# Altium PCB 蓝桥1.4.PcbDoc (part 1 of 2) (continued)
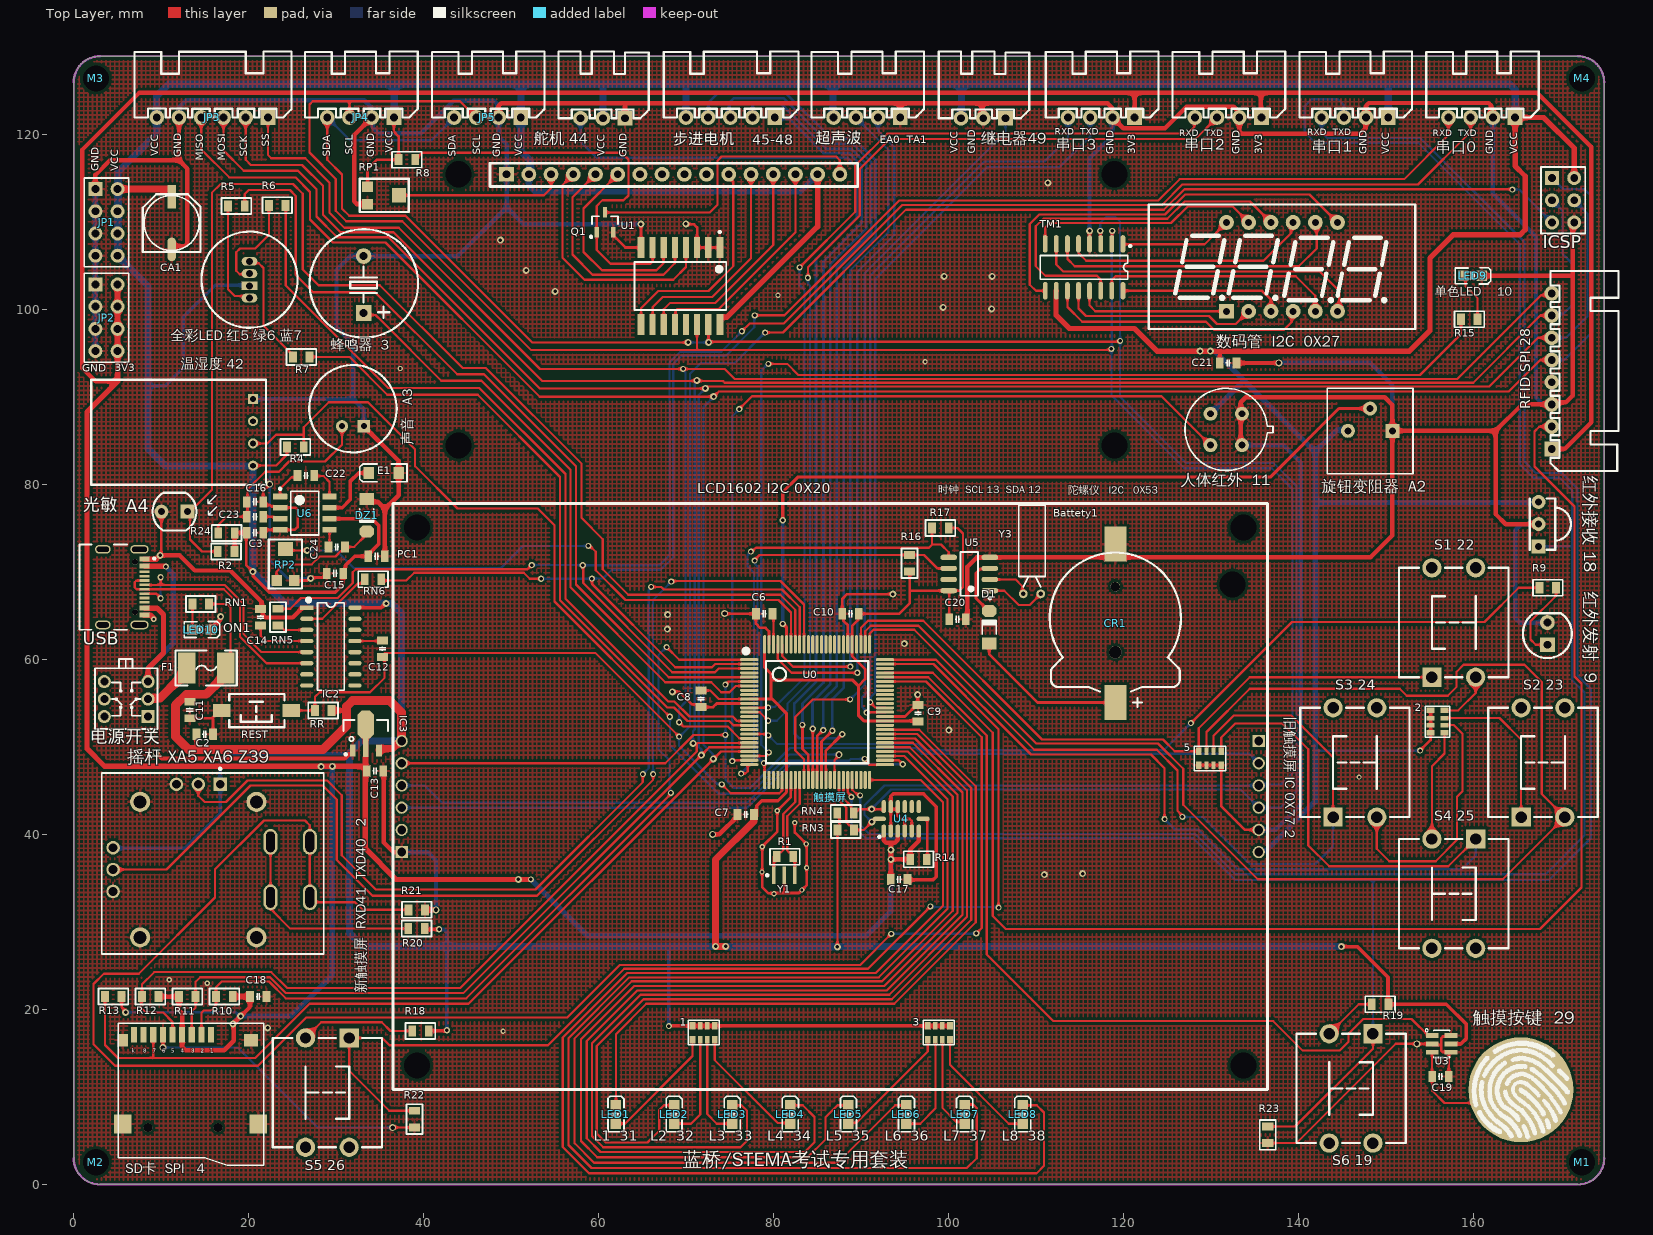
[diagram p0: Top Layer view]
## Footprints (in the part's own frame and the unit in brackets; to place one, negate y for a bottom-side part, rotate by r counter-clockwise, add the part's x,y. Pads: shape width x height; smd on the part's side, far side on the other; paste and mask are expansions set on the pad) (continued)
MIC [mm]
  rect 1.4x1.4 hole 0.7: 1(2,1.25)
  round 1.4 hole 0.7: 2(2,-1.25)
  silkscreen extent -5,-5 5,5
"Micro SD" [mm]
  round 1 hole 1 unplated: 0(-4,0) 0(4,0)
  rect 0.7x1.8 smd: 1(3.2,10.627) 2(2.1,10.627) 3(1,10.627) 4(-0.1,10.627) 5(-1.2,10.627) 6(-2.3,10.627) 7(-3.4,10.627) 8(-4.5,10.627) 9(-5.6,10.627)
  rect 2.032x2.2 smd: 10(-6.9,0.4) 10(8.6,0.4)
  rect 1.2x1.4 smd: 10(-6.9,10)
  rect 1.6x1.4 smd: 10(7.8,10)
  silkscreen extent -7.4,-4.28 9.2,11.94, body extent -7.05,-4 8.95,11.25, height 2
"MINI_MELF (LL34)" [mm] "1.5*3.4mm(直径，脚距）"
  rect 1.37x1.62 smd: 1(-1.855,0)
  oct 1.37x1.62 smd: 2(1.855,0)
  silkscreen extent -0.76,-0.8 0.78,0.8, body extent -1.7,-0.75 1.7,0.75, height 1.5
MURA-CSTCE_G_A-3_V [mm] "SMD, 3-Leads, Body 3.2x1.3mm, Pitch 1.2mm"
  rect 0.4x2 smd: 1(-1.2,0) 2(0,0) 3(1.2,0)
  silkscreen extent -2.07,-0.12 -1.83,0.12, body extent -1.6,-0.65 1.6,0.65, height 0.7
OSC-3x8-WI-A [mm] "脚距：2mm"
  round 1 hole 0.5: 1(1,0) 2(-1,0)
  silkscreen extent -1.52,0.8 1.52,10.16, body extent -1.5,-0.18 1.5,10, height 3.03
"R 0805_L" [mil] "1/8W贴片电阻"
  rect 35x50 smd: 1(-37.4,0) 2(37.4,0)
  silkscreen extent -67,-36 67,36, body extent -39,-25 39,25, height 20
RCA-8P4R-0603 [mm] "3.2mm*1.6mm*0.6mm(长*宽*厚)"
  rect 0.65x0.9 smd: 1(-1.28,-0.8) 4(1.28,-0.8) 5(1.28,0.8) 8(-1.28,0.8)
  rect 0.5x0.9 smd: 2(-0.4,-0.8) 3(0.4,-0.8) 6(0.4,0.8) 7(-0.4,0.8)
  silkscreen extent -1.78,-1.4 1.78,1.4, body extent -1.6,-0.8 1.6,0.8, height 0.6
RG5528 [mm] "光敏电阻 脚距：3mm"
  rect 1.6x1.6 hole 0.8: 1(-1.5,0)
  round 1.6 hole 0.8: 2(1.5,0)
  silkscreen extent -2.5,-2.16 2.5,2.16, body extent -2.5,-2.15 2.5,2.15, height 1.9
RGB10MM [mm]
  oval 1x1.8 hole 0.8: 1(-2.1,0) 3(0.7,0) 4(2.1,0)
  rect 1x1.8 hole 0.8: 2(-0.7,0)
  silkscreen extent -5.5,-5.5 5.5,5.5
S8+2_L [mm] "SOIC, 8-Leads, Body 4.9x3.9mm, Pitch 1.27mm, IPC High Density"
  oval 1.9x0.6 smd: 1(-2.35,1.905) 2(-2.35,0.635) 3(-2.35,-0.635) 4(-2.35,-1.905) 5(2.35,-1.905) 6(2.35,-0.635) 7(2.35,0.635) 8(2.35,1.905)
  silkscreen extent -2.48,-2.5 1,2.88, body extent -2,-2.5 2,2.5, height 1.75
"SMG 0.36-4P" [mm] "30*14*7.2mm(长宽厚)"
  rect 1.7x1.7 hole 0.8: 1(-6.35,-5.08)
  round 1.7 hole 0.8: 2(-3.81,-5.08) 3(-1.27,-5.08) 4(1.27,-5.08) 5(3.81,-5.08) 6(6.35,-5.08) 7(6.35,5.08) 8(3.81,5.08) 9(1.27,5.08) 10(-1.27,5.08) 11(-3.81,5.08) 12(-6.35,5.08)
  silkscreen extent -15.24,-7.11 15.24,7.11, body extent -15,-7 15,7, height 7.2
SOP16 [mm] "（蒜米工坊）"
  oval 2x0.55 smd: 1(-2.667,4.445) 2(-2.667,3.175) 3(-2.667,1.905) 4(-2.667,0.635) 5(-2.667,-0.635) 6(-2.667,-1.905) 7(-2.667,-3.175) 8(-2.667,-4.445) 9(2.692,-4.445) 10(2.692,-3.175) 11(2.692,-1.905) 12(2.692,-0.635) 13(2.692,0.635) 14(2.692,1.905) 15(2.692,3.175) 16(2.692,4.445)
  silkscreen extent -2.55,-5 1.37,5.4, body extent -2.92,-4.99 2.98,4.99, height 1.45
SOP16_L [mm] "10.3*6.2*1.8mm（长宽高）"
  rect 1.5x0.5 smd: 1(-2.752,4.445)
  oval 1.5x0.5 smd: 2(-2.752,3.175) 3(-2.752,1.905) 4(-2.752,0.635) 5(-2.752,-0.635) 6(-2.752,-1.905) 7(-2.752,-3.175) 8(-2.752,-4.445) 9(2.752,-4.445) 10(2.752,-3.175) 11(2.752,-1.905) 12(2.752,-0.635) 13(2.752,0.635) 14(2.752,1.905) 15(2.752,3.175) 16(2.752,4.445)
  silkscreen extent -2.69,-5 1.52,5.49, body extent -3,-5 3,5, height 1.9
SOT23-3N [mm] "3x1.3x1mm(长宽高)"
  rect 0.5x1.2 smd: 1(-0.95,-1.143) 2(0.95,-1.143) 3(0,1.143)
  silkscreen extent -1.72,-1.78 1.5,0.7, body extent -1.5,-1.2 1.5,1.2, height 1.05
SOT23-6 [mm] "SOT-23/SC-74A; 5 Leads; Body 3.1 x 3 mm, inc. leads (LxW max)"
  rect 0.55x1.45 smd: 1(0.95,1.075) 2(0,1.075) 3(-0.95,1.075) 4(-0.95,-1.075) 5(0,-1.075) 6(0.95,-1.075)
  silkscreen extent -1.55,-0.9 1.73,1.88, body extent -1.43,-1.2 1.49,1.14, height 1
SOT89_N [mm] "4.6x4.3x1.6mm(长宽高)"
  rect 0.65x1.4 smd: 1(-1.5,-1.952) 3(1.5,-1.952)
  rect 0.65x2.1 smd: 2(0,-1.626)
  oct 1.9x3.2 smd: 2(0,1.016)
  silkscreen extent -2.54,-2.52 2.54,1.52, body extent -2.3,-2.4 2.3,1.9, height 1.6
TOUCH [mm]
  round 12 smd: 1(0,0)
  silkscreen extent -5.67,-5.55 5.62,5.55
"TSW DIP-12*12*4.3" [mm] "12*12*4.3mm"
  rect 2.2x2.2 hole 1.3: 1(-6.25,2.5)
  round 2.2 hole 1.3: 2(-6.25,-2.5) 3(6.25,-2.5) 4(6.25,2.5)
  silkscreen extent -6.25,-6.25 6.25,6.25, body extent -6.9,-6 6.9,6, height 4.45
"TSW SMD-3*6*2.5" [mm] "3*6*2.5mm"
  rect 2x1.5 smd: 1(-3.996,-0.02) 2(3.937,0)
  silkscreen extent -3.21,-1.9 3.09,1.9, body extent -4,-1.88 4,1.62, height 2.59
VS1838B-B [mm] "一体红外接收头"
  rect 1.6x1.6 hole 0.8: 1(-2.54,0)
  round 1.6 hole 0.8: 2(0,0) 3(2.54,0)
  silkscreen extent -2.92,-3.69 2.92,1.02, body extent -3.4,-3.95 3.4,1.15, height 8.65
XH2.54-WI-3P [mm] "接插件，3P"
  rect 1.7x1.7 hole 0.9: 1(-2.54,0)
  round 1.7 hole 0.9: 2(0,0) 3(2.54,0)
  silkscreen extent -5.26,-7.62 5.08,0, body extent -5.04,-7.35 5.04,0.35, height 5.73
XH2.54-WI-4P [mm] "接插件，4P"
  rect 1.7x1.7 hole 0.9: 1(-3.81,0)
  round 1.7 hole 0.9: 2(-1.27,0) 3(1.27,0) 4(3.81,0)
  silkscreen extent -6.53,-7.53 6.35,0, body extent -6.31,-7.35 6.31,0.35, height 5.73
XH2.54-WI-5P [mm] "接插件，5P"
  rect 1.7x1.7 hole 0.9: 1(-5.08,0)
  round 1.7 hole 0.9: 2(-2.54,0) 3(0,0) 4(2.54,0) 5(5.08,0)
  silkscreen extent -7.8,-7.53 7.62,0, body extent -7.58,-7.35 7.58,0.35, height 5.73
XH2.54-WI-6P [mm] "接插件，6P"
  rect 1.7x1.7 hole 0.9: 1(-6.35,0)
  round 1.7 hole 0.9: 2(-3.81,0) 3(-1.27,0) 4(1.27,0) 5(3.81,0) 6(6.35,0)
  silkscreen extent -9.07,-7.53 8.89,0, body extent -8.85,-7.35 8.85,0.35, height 5.75
XH2.54-WI-8P [mm] "接插件，8P"
  rect 1.7x1.7 hole 0.9: 1(-8.89,0)
  round 1.7 hole 0.9: 2(-6.35,0) 3(-3.81,0) 4(-1.27,0) 5(1.27,0) 6(3.81,0) 7(6.35,0) 8(8.89,0)
  silkscreen extent -11.43,-7.62 11.43,0.13, body extent -11.39,-7.35 11.39,0.35, height 5.75
触摸屏 [mm]
  round 0 hole 3: 0(-47.25,-30.75) 0(-47.25,30.75) 0(46,24.25) 0(47.25,-30.75) 0(47.25,30.75)
  rect 1.4x1.4 hole 1: 1(-49,-6.35) 12(49,6.35)
  round 1.4 hole 1: 2(-49,-3.81) 3(-49,-1.27) 4(-49,1.27) 5(-49,3.81) 6(-49,6.35) 7(49,-6.35) 8(49,-3.81) 9(49,-1.27) 10(49,1.27) 11(49,3.81)
  silkscreen extent -50,-33.5 50,33.5

## Part data
1 2 3 5: library part R-8P4R, "贴片网络排阻", BOM名称=贴片网络排阻, 学习资源=www.ooocke.com, 版权归属=源创客
C2 C3 C6 C7 C8 C9 C10 C11 C12 C13 C14 C15 C16 C17 C18 C19 C20 C21 C22 C23 C24 PC1: library part C, "无极性贴片电容", BOM名称=无极性贴片电容, 学习资源=www.ooocke.com, 版权归属=源创客
CA1: library part C-CM, "贴片电解电容", BOM名称=贴片电解电容, 学习资源=www.ooocke.com, 版权归属=源创客
CR1: library part CR-3V, "微型电池", BOM名称=微型电池, 学习资源=www.ooocke.com, 版权归属=源创客
D1: library part 1N4148, "高速开关二极管", BOM名称=高速开关二极管, 学习资源=www.ooocke.com, 版权归属=源创客
DZ1: "5.1V/0.5W稳压管", BOM名称=5.1V/0.5W稳压管, 学习资源=www.ooocke.com, 版权归属=源创客
E1: library part C-CD, "贴片钽电容", BOM名称=贴片钽电容, 学习资源=www.ooocke.com, 版权归属=源创客
F1: library part FU, "贴片保险丝", BOM名称=贴片保险丝, 学习资源=www.ooocke.com, 版权归属=源创客
IC2: library part CH340G, "串口转USB", BOM名称=串口转USB, 学习资源=www.ooocke.com, 版权归属=源创客
IC3: library part AMS1117, "三端稳压芯片", BOM名称=稳压芯片, 学习资源=www.ooocke.com, 版权归属=源创客
ICSP: library part "Header 3X2", "3*2P接插件", BOM名称=3*2P接插件, 学习资源=www.ooocke.com, 版权归属=源创客
JP1 JP2: "4*2P接插件", BOM名称=4*2P接插件, 学习资源=www.ooocke.com, 版权归属=源创客
JP3: library part "Header 6", "6P接插件", BOM名称=6P接插件, 学习资源=www.ooocke.com, 版权归属=源创客
JP4 JP5 串口0 串口1 串口2 串口3 超声波: library part "Header 4", "4P接插件", BOM名称=4P接插件, 学习资源=www.ooocke.com, 版权归属=源创客
LED1 LED2 LED3 LED4 LED5 LED6 LED7 LED8 LED9 LED10: library part CMP-1724-00002-1, "LED, RED, 635 nm, 2 V, -25 to 80 degC, 2-Pin SMD, RoHS, Tape and Reel", Case Code (Imperial)=0805, Case Code (Metric)=2012, Max Operating Temperature="80 degC", Min Operating Temperature="-25 degC", Package Quantity=1, Case\/Package=0805, ComponentLink1Description="Manufacturer URL", ComponentLink1URL=http://www.lumexinstruments.com/, ComponentLink2Description=Datasheet, ComponentLink2URL=http://www.lumex.com/content/files/ProductAttachment/219201631403-SML-LXT0805IW-TR.pdf, DatasheetVersion="Rev. F, 09/2009", Length="2 mm", Mount="Surface Mount", Mounting Technology="Surface Mount", PackageDescription="2-Pin Surface Mount Device, Body 2 x 1.25 mm", PackageReference=SML-LXT0805, Packaging="Cut Tape", REACH SVHC="No SVHC", RoHSCompliant=true, Width="1.25 mm"
Q1: library part 8050-SMD, "高频放大-NPN型", BOM名称=高频放大-NPN型, 学习资源=www.ooocke.com, 属性="40V 1.5A 1W 100MHZ", 版权归属=源创客
R1 R2 R4 R5 R6 R7 R8 R9 R10 R11 R12 R13 R14 R15 R16 R17 R18 R19 R20 R21 R22 R23 R24 RN1 RN3 RN4 RN5 RN6 RR: library part R, "贴片电阻", BOM名称=贴片电阻, 学习资源=www.ooocke.com, 版权归属=源创客
REST: library part "TSW 3x6", "3x6轻触开关", BOM名称=3x6轻触开关, 学习资源=www.ooocke.com, 版权归属=源创客
"RFID SPI 28": library part "Header 8", "8P接插件", BOM名称=8P接插件, 学习资源=www.ooocke.com, 版权归属=源创客
RP1 RP2: library part RP-SMD, "贴片电位器", BOM名称=贴片电位器, 学习资源=www.ooocke.com, 版权归属=源创客
"S1 22" "S2 23" "S3 24" "S4 25" "S5 26" "S6 19": library part "TSW DIP-12x12", "直插12x12轻触开关", BOM名称=直插12x12轻触开关, 学习资源=www.ooocke.com, 版权归属=源创客
"SD卡  SPI   4": "TF卡座", BOM名称=TF卡座, 学习资源=www.ooocke.com, 版权归属=源创客
U1: library part CMP-10112-000003-1, "IC I/O EXPANDER I2C 8B 16SOIC", Ambient Temperature Range High=+85°C, Ambient Temperature Range Low=-40°C, Frequency=100kHz, Manufacturer="NXP Semiconductors", Manufacturer Part Number=PCF8574AT/3,518, Max Junction Temp=+125°C, Max Supply Voltage=6V, Min Supply Voltage=2.5V, Nominal Supply Current=40uA, Package=SOT162-1, Temperature="-40°C to +85°C", Automotive=No, Category=IC, ComponentLink2Description=Datasheet, ComponentLink2URL=https://www.nxp.com/docs/en/data-sheet/PCF8574_PCF8574A.pdf, Device Class L1="Integrated Circuits (ICs)", Device Class L2="Interface ICs", Device Class L3="I/O Expanders", Digikey Description="IC I/O EXPANDER I2C 8B 16SOIC", Footprint Url=https://www.nxp.com/docs/en/package-information/SOT162-1.pdf, Height=2.65mm, Interface=I2C,SMBus, Ipc Land Pattern Name=SOIC127P1032X265-16, Lead Free=Yes, Mouser Description="PCF8574 Series 2.5 to 6V Remote 8-bit I/O Expander for I2C-bus -SOIC-16", Number Of I/Os=8, Octopart=https://octopart.com/pcf8574at%2F3%2C518-nxp+semiconductors-11541925, RoHS=TRUE, Standoff Height=0.1mm, Temperature Range High=+85°C, Temperature Range Low=-40°C
U4: library part CMP-0885-00033-1, "3-Axis, +/-2 g / +/-4 g / +/-8 g / +/-16 g Digital Accelerometer with Digital Output, 1.6 KHz BW, Industrial, 14-pin LGA, Reel", Manufacturer="Analog Devices", Supply Current="140 uA", Voltage Supply (V)="2.0 to 3.6", # of Axes=3, -3dB Bandwidth="1.6 KHz", ComponentLink1Description="Manufacturer URL", ComponentLink1URL=http://www.analog.com/en/index.html, ComponentLink2Description=Datasheet, ComponentLink2URL=http://www.analog.com/static/imported-files/data_sheets/ADXL345.pdf, ComponentLink3Description="Package Specification", ComponentLink3URL=http://www.analog.com/static/imported-files/data_sheets/ADXL343.pdf, ComponentLink4Description="Product URL", ComponentLink4URL=http://www.analog.com/en/mems-sensors/mems-inertial-sensors/adxl345/products/product.html, DatasheetVersion="Rev. D", Mounting Technology="Surface Mount", Output Type=Digital, PackageDescription="14-Pin Land Grid Array, 3 x 5 mm Body, 0.8 mm Pitch", PackageReference=CC-14-1, PackageVersion="03-16-2010-A, 03/2010", Packing=Reel, PartNumber=ADXL345BCCZ-RL7, Sensitivity="256/128/64/32 LSB/g"
U5: library part CMP-0254-00305-1, "64 x 8, Serial, I2C Real-Time Clock, 5.0V, 8-Pin SO, 0 to 70 degC, Pb-Free, Reel", Code_IPC=SOIC127P600-8, Code_JEDEC=MS-012-AA, ComponentLink1Description="Manufacturer URL", ComponentLink1URL=http://www.maxim-ic.com, ComponentLink2Description=Datasheet, ComponentLink2URL=http://datasheets.maxim-ic.com/en/ds/DS1307.pdf, ComponentLink3Description="Package Specification", ComponentLink3URL=http://pdfserv.maxim-ic.com/package_dwgs/21-0041.PDF, DatasheetVersion=10-Feb-2008, PackageDescription="8-Pin Small-Outline IC, Narrow (0.15in), 1.27 mm Pitch, SOIC (N), Pb-Free", PackageReference=S8+2, PackageVersion="revC, 2010"
U6: library part CMP-0057-00421-3, "Low Voltage Audio Power Amplifier, 8-pin Narrow SOIC", Manufacturer="Texas Instruments", PackageTopMarking=NSZXTT*LM386*M-1, PowerWise=N, Code_IPC=SOIC127P600-8, Code_JEDEC=MS-012-AA, ComponentLink1Description="Datasheet URL", ComponentLink1URL=http://www.ti.com/general/docs/lit/getliterature.tsp?genericPartNumber=LM386&fileType=pdf, CompType="Audio IC", PackageDescription="SOIC Narrow, 4.9 x 3.9 x 1.45mm, 8 Lead, 1.27mm Pitch", PackageReference=D0008A, PinCount=8, RoHS=N
USB: library part CMP-245163-000001-1, "CONN RCPT USB2.0 TYPEC 5A", Current Rating=5/6.25/1.25/0.25A, Manufacturer=GCT, Package=0, Temperature="-40°C to +85°C", Temperature Range High=+85°C, Temperature Range Low=-40°C, Voltage Rating=20V, Automotive=No, Category=Conn, ComponentLink2Description=Datasheet, ComponentLink2URL=https://gct.co/files/drawings/usb4105.pdf, Conn Orientation="Right Angle", Contact Material=Gold,Nickel, Device Class L1=Connectors, Device Class L2="USB Connectors", Device Class L3=unset, Digikey Description="CONN RCPT USB2.0 TYPEC 5A", Height=3.46mm, Is Female=yes, Lead Free=Yes, Manufacturer Part Number=USB4105-GF-A, Number Of Contacts=16, Octopart=https://octopart.com/usb4105-gf-a-gct-106627878, RoHS=TRUE, Usb Standard="USB 2.0"
Y1: library part CMP-003-00002-2, "Ceramic Resonator, 8 MHz, +/- 0.5%, 30/33/39 pF, -20 to 80 degC, 3-Pin SMD, RoHS, Tape and Reel", Case/Package=CSMD, Frequency=8MHz, Frequency Tolerance=0.5%, Load Capacitance=33pF, Manufacturer=Murata, Max Operating Temperature=80°C, Min Operating Temperature=-20°C, Package Description="3-Pin Surface Mount Device, Body 3.2 x 1.3 mm, Pitch 1.2 mm", Package Quantity=1, Package Reference=CSTCE_G_A-3, Datasheet URL=http://www.murata.com/~/media/webrenewal/support/library/catalog/products/timingdevice/ceralock/p16e.ashx, Datasheet Version=Dec-15, Impedance=40Ohm, Manufacturer URL=http://www.murata.com/, Mounting Technology=SM, Packaging=TapeandReel, Pins=3, RoHS Compliant=True, Self Resonant Frequency=8MHz, Tolerance=0.5%
Y3: library part XTAL-2P, "2脚无源脚晶振", BOM名称=2脚无源脚晶振, 学习资源=www.ooocke.com, 版权归属=源创客
光敏: library part IDR, "光敏电阻", BOM名称=光敏电阻, 学习资源=www.ooocke.com, 版权归属=源创客
"摇杆 XA5 XA6 Z39": library part CMP-24118-000005-1, "Res POT 10K Ohm 0.0125W (25.4 X 20.7 X 19.3mm) Pin Bracket Mount/Through Hole Tray", Contact Current Rating=50mA, Insulation Resistance=100MR, Max Operating Temperature=70°C, Min Operating Temperature=-10°C, Package Quantity=1000, Power Rating=12.5mW, Resistance=10kR, Resistor Type=Potentiometer, Current Rating=50mA, Depth=20.7mm, Height=12.9mm, Length=16mm, Life (Hours)=100Hour, Military Standard=Not, Mount="Through Hole", Packaging=Tray, Radiation Hardening=No, RoHS Compliant=Yes, Series="RKJXV/ RKJXK", Termination=Pin, Type=Potentiometer, Width=16mm
"数码管  I2C  0X27": "0.36寸4位共阴数码管", BOM名称=0.36寸4位共阴, 学习资源=www.ooocke.com, 版权归属=源创客
"旋钮变阻器  A2": library part CMP-07234-000020-1, "TRIMMER 1M OHM 0.5W PC PIN TOP", Manufacturer="Bourns Inc.", Package=3386P, Power Rating=0.5W, Resistance=1MΩ, Temperature="-55°C to +125°C", Temperature Coefficient=100ppm/°C, Temperature Range High=+125°C, Temperature Range Low=-55°C, Tolerance=10%, Automotive=No, Category=Res, ComponentLink2Description=Datasheet, ComponentLink2URL=https://www.bourns.com/docs/Product-Datasheets/3386.pdf, Composition=Cermet, Device Class L1="Passive Components", Device Class L2=Resistors, Device Class L3="Variable Resistors and Potentiometers", Digikey Description="TRIMMER 1M OHM 0.5W PC PIN TOP", Height=5.08mm, Lead Free=Yes, Manufacturer Part Number=3386P-1-105TLF, Mouser Description="Trimmer Resistors - Through Hole 3/8 1Mohms 10% 0.5Watts Square", Octopart=https://octopart.com/3386p-1-105tlf-bourns-2025467, RoHS=TRUE, Series=3386, Standoff Height=0.38mm
步进电机: library part "Header 5", "5P接插件", BOM名称=5P接插件, 学习资源=www.ooocke.com, 版权归属=源创客
电源开关: "7*7自锁开关", BOM名称=7*7自锁开关, 学习资源=www.ooocke.com, 版权归属=源创客
"红外发射  9": library part I-LED, "红外二极管", BOM名称=红外二极管, 学习资源=www.ooocke.com, 版权归属=源创客
"红外接收 18": "红外接收头", BOM名称=红外接收头, 学习资源=www.ooocke.com, 版权归属=源创客
继电器49 "舵机 44": library part "Header 3", "3P接插件", BOM名称=3P接插件, 学习资源=www.ooocke.com, 版权归属=源创客
"蜂鸣器  3": library part BEEP, "蜂鸣器", BOM名称=蜂鸣器, 学习资源=www.ooocke.com, 版权归属=源创客
"LCD1602 I2C 0X20": BOM名称="LCD 1602", 学习资源=www.ooocke.com, 版权归属=源创客

## Via types
v1: diameter 0.7, hole 0.4, Top Layer to Bottom Layer, 70 vias
v2: diameter 0.8, hole 0.4, Top Layer to Bottom Layer, 51 vias
v3: diameter 0.6, hole 0.3, Top Layer to Bottom Layer, 16 vias
v4: diameter 0.8, hole 0.5, Top Layer to Bottom Layer, 10 vias

## Nets (pads, with @x,y where several pads share a name; then routed paths per layer and width w, separated by ;. In a path a pad name is that pad's centre, name@x,y a point inside that pad or via, vN(x,y) a via of type N, cw(c..) or ccw(c..) an arc to the next point about the centre after c; other vN are vias at no path point)
+3.3: "RFID SPI 28.1" "SD卡  SPI   4.4" C13.2 C17.1 C18.2 IC3.2 JP2.2 JP2.4 JP2.6 JP2.8 R10.1 R11.2 R12.2 R13.2 R14.2 U4.1 U4.3 U4.6 串口2.1 串口3.1 | length 515.8
  Top Layer w0.305: R13.2@5.475,21.475 5.475,20.284 5.95,19.809 v2(5.95,19.675)
  Top Layer w0.508: 5.02,91.82 2.505,91.82 1,93.325 1,118.325 7.475,124.8 121.3,124.8 ; R12.2@9.708,21.475 R11.2@12.041,21.475 12.041,19.909 12.4,19.55 12.4,17.127 12.4,15.725 12.775,15.35 17.2,15.35 18.288,16.438 18.288,18.438 20.15,20.3 C18.2@20.15,21.475 ; U4.1@92.625,39.904 92.625,39.348 92.923,39.05 93.425,39.05 ; C17.1@93.425,34.875 v2(93.425,37.175) ; U4.3@94.225,39.904 94.225,39.4 93.875,39.05 93.425,39.05 ; U4.6@96.625,40.702 96.625,39.275 95.65,38.3 R14.2@95.65,37.175 v2(93.425,37.175) ; 串口3.1@121.31,122 121.3,122.01 121.3,124.8 ; 串口2.1@135.81,122 135.75,122.06 135.75,124.8 ; 169,84.11 170.51,84.11 173.525,87.125 173.525,118.625 167.35,124.8 135.75,124.8 ; v2(93.425,37.175) v2(93.425,38.25) 93.425,39.05 ; 121.3,124.8 135.75,124.8
  Top Layer w0.61: JP2.2@5.02,103.31 5.02,100.77 5.02,98.23 5.02,95.69 5.02,91.82 1.525,88.325 1.525,49.825 3.55,47.8 28.289,47.8 v2(29.575,47.8) 33.375,47.8 33.375,49.949 33.375,52.566 IC3.2@33.4,52.591 ; R13.2@5.475,21.475 R13.2@5.615,21.615 ; R10.1@18.174,21.475 C18.2@20.15,21.475 ; C13.2@33.35,47.775 33.35,38.4 36.875,34.875 v2(50.85,34.875) v1(52.275,34.875)
  Bottom Layer w0.305: v2(5.95,19.675) 18.516,19.675 18.941,19.25 v2(19.075,19.25)
  Bottom Layer w0.61: v2@18.35,18.525 v2(19.075,19.25) 24.875,19.25 29.575,23.95 v2(29.575,47.8) 29.539,47.764 v2(28.289,47.764) v2@28.275,47.75 ; v2(50.85,34.875) v1(52.275,34.875) 58.7,28.45 90.625,28.45 93.425,31.25 v2(93.425,37.175) v2(93.425,38.25)
  other v2: 18.2,18.35
+5: 1.5 1.6 1.7 1.8 2.1 2.2 2.3 2.4 3.5 3.6 3.7 3.8 "LCD1602 I2C 0X20.2" "LCD1602 I2C 0X20.15" "人体红外  11.3" "全彩LED 红5 绿6 蓝7.2" "摇杆 XA5 XA6 Z39.1_VR1" "摇杆 XA5 XA6 Z39.1_VR2" "旋钮变阻器  A2.3" "温湿度 42.1" "红外接收 18.3" "舵机 44.2" C2.2 C3.2 C7.1 C8.1 C9.1 C10.1 C11.2 C15.1 C20.1 C21.2 CA1.1 F1.1 IC2.16 IC3.3 ICSP.2 JP1.2 JP1.4 JP1.6 JP1.8 JP3.6 JP4.1 JP5.1 PC1.2 R2.1 R4.1 R8.1 R16.2 R17.2 R18.2 R19.1 R20.1 R24.2 RN1.1 RN3.1 RN4.1 RP1.1 RR.1 TM1.10 U0.10 U0.31 U0.61 U0.80 U0.100 U1.16 U3.5 U5.8 U6.6 串口0.1 串口1.1 步进电机.5 继电器49.3 触摸屏.6 触摸屏.7 超声波.4 | length 1120.2
  Top Layer w0.254: RN1.1@15.475,66.375 17.575,66.375 17.925,66.025 17.925,59.575 F1.1@17.4,59.05 ; 20.5,82.19 23.14,82.19 24.4,83.45 R4.1@24.4,84.325 ; 1.8@70.75,18.15 1.7@71.63,18.15 1.6@72.43,18.15 1.5@73.31,18.15 3.6@99.325,18.15 3.5@100.205,18.15 ; C8.1@71.725,56.475 72.775,56.475 73.75,55.5 U0.10@77.253,55.5 ; v2(87.325,27.175) RN3.1@87.325,40.525 ; RN3.1@87.55,40.525 RN4.1@87.55,42.5 ; R17.2@100.05,75.05 101.05,75.05 101.675,74.425 101.675,68.3 101.27,67.895 U5.8@100.05,67.895 100.1,67.845 C20.1@100.1,64.625 ; 131.05,95.25 131.075,95.275
  Top Layer w0.305: C3.2@19.776,74.21 19.726,74.16 19.726,70.824 v2(20.475,70.075) ; RP1.1@33.6,114.1 33.6,116.075 34.7,117.175 R8.1@37.15,117.175 37.15,119.825 36.61,120.365 JP4.1@36.61,122 ; 89.713,57.013 89.738,57.013 90.5,57.775 90.5,58.925 89.006,60.419 U0.80@89.006,61.752 89.006,63.856 89.675,64.525 89.675,65.15 C10.1@89.775,65.25 94.35,65.25 95.6,66.5 95.6,67.95 ; R16.2@95.575,70.075 95.6,70.05 95.6,67.95 ; C9.1@96.36,52.925 C9.1@96.55,52.925 ; U5.8@100.05,67.895 95.655,67.895 95.6,67.95 ; v1(153.95,49.6) 153.975,49.625 153.975,49.65 155.15,50.825 2.4@155.15,51.645 2.3@155.15,52.525 2.2@155.15,53.325 2.1@155.15,54.205
  Top Layer w0.356: U0.10@77.253,55.5 79.875,55.5 ; C7.1@78.1,42.05 78.1,43.3 78.675,43.875 80.525,43.875 81.506,44.856 U0.31@81.506,46.248 ; U0.100@79.006,61.752 79.006,59.107 79.738,58.375 79.738,57.8 ; U0.31@81.487,46.248 81.487,53.888 79.875,55.5 ; C9.1@96.36,52.925 96.287,52.997 92.761,52.997 U0.61@92.758,53 90.35,53 89.713,53.638 89.713,57.013 89.025,57.7 79.838,57.7 79.738,57.8 ; 79.738,57.8 79.738,55.637 79.875,55.5
  Top Layer w0.406: C2.2@14.025,51.475 14.025,49.95 14.225,49.75 ; R24.2@18.22,74.51 C3.2@19.776,74.51 ; R2.1@18.375,72.375 18.4,72.4 18.4,74.475 R24.2@18.425,74.5 ; v2(20.475,70.075) 20.545,70.005 20.545,69.53 22.35,67.725 29.9,67.725 30.775,68.6 30.775,69.825 31.064,70.114 31.064,70.764 32.125,71.825 33.485,71.825 34.9,73.24 34.9,75.325 34.11,76.115 U6.6@29.25,76.115 ; IC2.16@32.152,65.945 35.138,65.945 35.618,66.425 v2(35.725,66.425) ; R20.1@40.15,29.25 40.225,29.175 v1(41.775,29.175) ; R18.2@40.6,17.55 42.6,17.55 v1(42.675,17.625) ; 68.523,18.125 1.8@70.725,18.125 ; 1.8@70.75,18.15 1.8@70.725,18.125 ; 3.5@100.205,18.15 100.18,18.125 1.8@70.725,18.125 ; C21.2@131.05,93.925 131.05,95.25 ; v2(144.95,27.2) 146.75,27.2 150.275,23.675 150.275,20.65 R19.1@150.325,20.6 156.95,20.6 159.25,18.3 159.25,16.693 158.625,16.068 U3.5@157.471,16.068
  Top Layer w0.61: RR.1@29.475,54.2 31.075,54.2 31.2,54.075 ; U1.16@73.87,98.325 73.87,99.067 73.965,99.162 74.707,99.162 85.06,109.515 85.06,115.5 ; TM1.10@112.35,102.183 112.325,102.158 112.325,99.4 113.85,97.875 121.275,97.875 123.875,95.275 v2(128.8,95.275) v2(129.975,95.275) 131.075,95.275 152.725,95.275 155.075,97.625 155.075,105.925 157.725,108.575 165.375,108.575 165.975,109.175 165.975,115.275 164.81,116.44 串口0.1@164.81,122 168.075,122 171.57,118.505 ICSP.2@171.57,115.07
  Top Layer w0.813: JP1.2@5.02,113.81 11.106,113.81 11.2,113.716 CA1.1@11.2,112.925 ; IC3.3@34.9,49.623 34.9,49.744 34.981,49.825 36.466,49.825 37.341,50.7 触摸屏.6@37.5,50.7 ; v2(74.55,27.225) v2(73.398,27.225) 73.398,37.148 77.762,41.512 77.762,42.262 C7.1@77.8,42.3
  Top Layer w1.016: F1.1@17.4,59.05 17.4,58.3 15.15,56.05 12.9,56.05 11.625,54.775 11.625,51.225 13.1,49.75 14.225,49.75 28.525,49.75 31.2,52.425 31.2,54.075 31.2,54.65 31.875,55.325 36.125,55.325 37.5,53.95 触摸屏.6@37.5,50.7
  Bottom Layer w0.305: 141.95,49.425 142.125,49.6 v1(153.95,49.6)
  Bottom Layer w0.406: 4.5,38.5 4.575,38.425 12.725,38.425 16.75,42.45 16.75,45.75 16.75,48.325 17.675,49.25 31.154,49.25 ; 8.5,91.3 10.45,91.3 12.525,93.375 12.525,99.175 16.175,102.825 20.1,102.825 ; v1(41.775,29.175) 41.795,29.155 42.37,29.155 42.675,28.85 42.675,27.2 v1(42.675,17.625) ; v1@67.975,18.175 v1(68.05,18.1) 68.05,27.175 68.025,27.2
  Bottom Layer w0.61: 52.04,115.5 52.04,114.175 52.715,113.5 83.06,113.5 85.06,115.5 ; v2(128.8,95.275) v2(129.975,95.275) 130.45,95.275 133.687,92.037 ; 129.949,88.151 129.979,88.121 133.687,91.83 133.687,92.037 ; 触摸屏.7@135.5,38 135.651,38.151 136.326,38.151 141.95,43.775 141.95,49.425 141.95,77.975 ; 145.695,86.175 145.62,86.25 144.425,86.25 141.95,83.775 ; 167.5,78.04 167.435,77.975 141.95,77.975 ; 133.687,92.037 141.95,83.775 ; 141.95,77.975 141.95,83.775
  Bottom Layer w0.813: JP3.6@9.475,122.215 9.475,124.425 10.85,125.8 36.65,125.8 ; JP3.6@9.5,122 9.5,120.175 5.075,115.75 5.075,106.245 JP1.8@5.02,106.19 8.5,102.71 8.5,91.3 8.5,84.125 10.5,82.125 20.197,82.125 ; 20.5,82.125 20.5,76.067 20.475,76.042 v2(20.475,70.075) 24.1,66.45 v2@35.725,66.45 ; v2(35.725,66.425) 36.375,66.425 37.5,65.3 触摸屏.6@37.5,50.7 32.925,50.7 31.525,49.3 31.525,28.725 33.05,27.2 42.675,27.2 68.025,27.2 74.55,27.2 74.575,27.175 v2(87.325,27.175) 87.35,27.2 v2(144.95,27.2) ; JP4.1@36.61,122 36.65,122.04 36.65,125.8 ; 52.04,115.5 52.21,115.67 52.21,117.085 51.12,118.175 JP5.1@51.12,122 51.125,122.005 51.125,125.8 ; 60.5,121.908 60.5,125.775 60.475,125.8 ; 步进电机.5@70,122 70,125.775 69.975,125.8 ; 80.16,125.785 80.175,125.8 ; 超声波.4@86.89,122 86.8,122.09 86.8,125.8 ; 继电器49.3@101.46,121.908 101.5,121.948 101.5,125.8 ; 串口1.1@150.31,122 150.31,125.71 150.4,125.8 ; 串口0.1@164.81,122 164.825,122.015 164.825,125.2 164.225,125.8 150.4,125.8 ; 36.65,125.8 51.125,125.8 ; 51.125,125.8 60.475,125.8 ; 60.475,125.8 69.975,125.8 ; 69.975,125.8 80.175,125.8 ; 80.175,125.8 86.8,125.8 ; 86.8,125.8 101.5,125.8 ; 101.5,125.8 150.4,125.8